# Altium PCB fMAX_MB.PcbDoc (part 4 of 13)
Units mil, origin at the board's own origin, x right, y up, seen from the top; angles counter-clockwise.
Board outline 9175 x 6300 mil, 14 copper layers (TopLayer, Gnd1, MidLayer1, Power1, MidLayer4, Power2, MidLayer2, Power3, MidLayer3, Gnd3, MidLayer6, Gnd2, MidLayer5, BottomLayer); 679 components, 896 nets, 4133 pads, 2341 vias.
Unrouted connection lines stored in the file: 4.
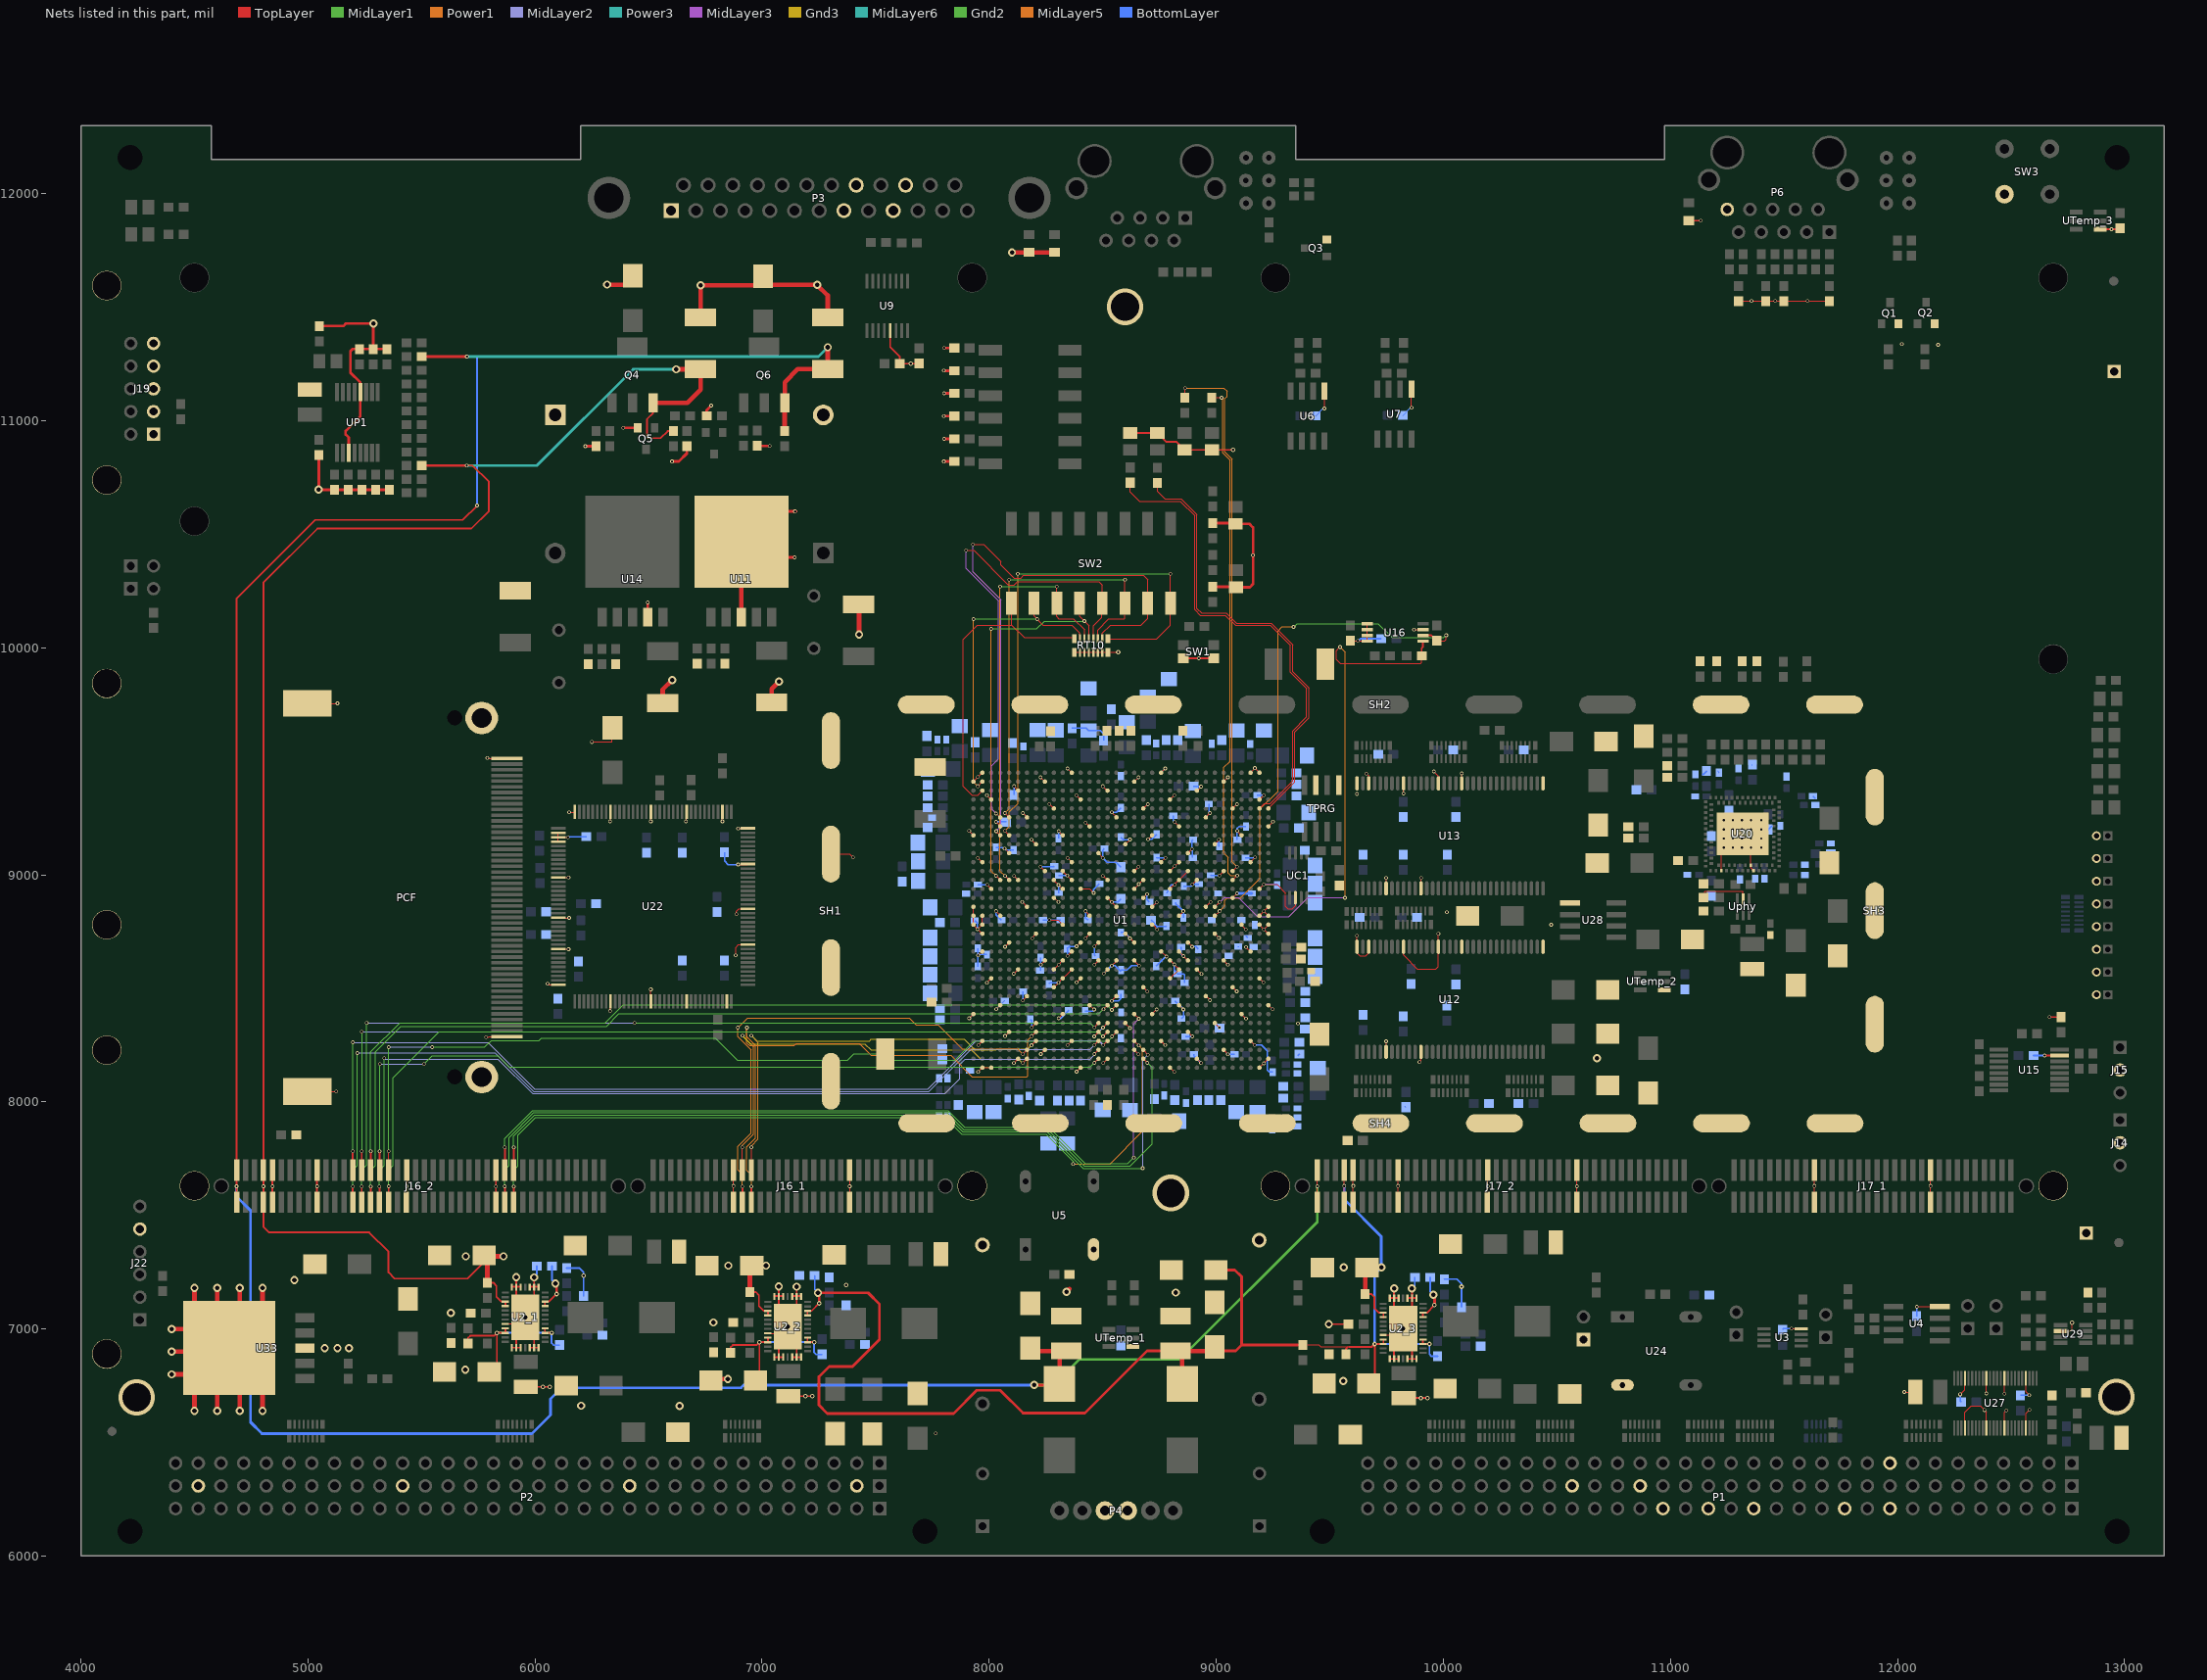
[diagram p16: the nets of this part, all layers, seen from the top]

## Via types
v1: diameter 16, hole 10, TopLayer to BottomLayer, tented both sides, 2192 vias
v2: diameter 36, hole 20, TopLayer to BottomLayer, tented both sides, 84 vias
v3: diameter 20, hole 10, TopLayer to BottomLayer, tented both sides, 61 vias
v4: diameter 160, hole 125, TopLayer to BottomLayer, tented both sides, 4 vias

## Nets (pads, with @x,y where several pads share a name; then routed paths per layer and width w, separated by ;. In a path a pad name is that pad's centre, name@x,y a point inside that pad or via, vN(x,y) a via of type N, cw(c..) or ccw(c..) an arc to the next point about the centre after c; other vN are vias at no path point) (continued)
GND: C1.2 C2.1 C3.1 C4.1 C5.2 C6.2 C7.1 C8_1.2 C8_2.2 C8_3.2 C9_1.2 C9_2.2 C9_3.2 C10_1.2 C10_2.2 C10_3.2 C11_1.2 C11_2.2 C11_3.2 C12_1.2 C12_2.2 C12_3.2 C13.1 C14.1 C15_1.2 C15_2.2 C15_3.2 C16_1.1 C16_2.1 C16_3.1 C17.2 C18_1.1 C18_2.1 C18_3.1 C19_1.1 C19_2.1 C19_3.1 C20.2 C21_1.1 C21_2.1 C21_3.1 C22_1.1 C22_2.1 C22_3.1 C23.2 C26.2 C27.2 C28.2 C29.2 C30.1 C31.1 C32.1 C33.1 C34.1 C35.1 C36.1 C37.1 C38.1 C39.1 C41.1 C42.1 C45.2 C46.2 C47.2 C48.2 C49.2 C50.2 C51.2 C52.2 C53.2 C54.2 C55.2 C56.2 C57.2 C58.2 C59.2 C60.2 C61.2 C62.2 C63.2 C64.2 C65.2 C66.2 C67.1 C68.1 C69.1 C70.1 C71.1 C72.1 C73.1 C74.1 C75.1 C76.1 C77.1 C78.1 C79.1 C80.1 C81.1 C82.1 C83.1 C84.1 C85.1 C86.1 C87.1 C88.1 C89.1 C90.1 C91.1 C92.1 C93.1 C94.1 C95.1 C96.1 C97.1 C98.1 C99.1 C100.1 C101.1 C102.1 C103.1 C104.1 C105.1 C106.1 C107.1 C108.1 C109.1 C110.1 C111.1 C112.2 C113.2 C114.2 C115.2 C116.2 C117.2 C118.2 C119.2 C120.2 C121.1 C122.1 C123.1 C124.1 C125.1 C126.1 C127.1 C128.1 C129.1 C130.1 C131.1 C132.1 C133.1 C134.1 C135.1 C136.1 C137.1 C138.1 C139.1 C140.1 C141.1 C142.1 C143.1 C144.1 C145.1 C146.1 C147.1 C148.2 C149.1 C150.1 C151.1 C152.1 C153.1 C154.1 C155.1 C156.1 C157.1 C158.2 C159.2 C160.2 C161.2 C162.2 C163.2 C164.2 C165.2 C166.2 C167.2 C168.2 C169.1 C170.1 C171.2 C172.1 C173.1 C174.1 C175.2 C176.1 C177.1 C178.2 C179.2 C180.2 C181.2 C182.2 C183.2 C184.2 C185.1 C186.1 C187.1 C188.1 C189.1 C190.1 C191.1 C192.1 C193.1 C194.1 C195.1 C196.1 C197.1 C198.1 C199.1 C200.1 C201.1 C202.1 C203.1 C204.1 C205.1 C206.1 C207.1 C208.1 C209.1 C210.1 C211.1 C212.1 C213.1 C214.1 C215.1 C216.1 C217.1 C218.1 C219.1 C220.1 C221.1 C222.1 C223.1 C224.1 C225.1 C226.1 C227.1 C228.1 C229.1 C230.1 C231.1 C232.1 C233.1 C234.1 C235.2 C236.1 C237.1 C238.1 C239.1 C240.1 C241.1 C242.1 C243.2 C244.1 C245.1 C246.2 C247.1 C248.1 C249.1 C250.1 C251.1 C252.1 C253.2 C254.1 C255.1 C256.1 C257.1 C258.2 C259.1 C260.1 C261.1 C262.1 C265.1 C266.1 C267.1 C268.1 C269.1 C270.2 C271.2 C272.2 C273.2 C274.1 C275.1 C276.1 C277.1 C278.1 C279.1 C280.1 C281.1 C282.1 C283.1 C284.2 C285.1 C286.1 C287.1 C289.2 C290.2 C325.2 C326.2 C327.2 C328.2 C329.1 C330.1 C331.1 C332.1 C333.2 C334.2 C335.1 C336.1 C337.1 C338.1 C345.2 C400.2 C401.2 C601.1 CP1.1 CP2.1 CRT1_1.1 CRT1_2.1 CRT1_3.1 CRT1_4.1 CRT1_5.1 CRT1_6.1 CRT1_7.1 CRT1_8.1 CT1.2 CT2.2 CT3.2 CT4.2 CTemp_1.2 CTemp_2.2 CTemp_3.2 D2.2 D3.2 D5.2 D7.2 D10.1 D11.2 D17.1 D18.2 DS12.2 DS13.2 J1.1 J6.2 J7.2 J8.2 J9.2 J10.2 J11.2 J12.2 J13.2 J14.2 J15.2 J16_1.19 J16_1.20 J16_1.45 J16_1.46 J16_2.25 J16_2.26 J16_2.45 J16_2.46 J16_2.65 J16_2.66 J16_2.75 J16_2.76 J17_1.19 J17_1.20 J17_1.45 J17_1.46 J17_2.25 J17_2.26 J17_2.45 J17_2.46 J17_2.65 J17_2.66 J17_2.75 J17_2.76 J19.1 J19.3 J19.5 J19.7 J19.9 J22.5 L1.1 L2.2 L4.1 P1.97 P1.98 P1.A9 P1.A11 P1.A15 P1.A17 P1.A19 P1.B20 P1.B23 P1.C9 P2.97 P2.98 P2.B2 P2.B12 P2.B22 P2.B31 P3.1 P3.8 P3.10 P3.21 P3.23 P4.3 P4.4 P6.10 pad.0@4114.17,10738.19 pad.0@4114.17,11594.49 pad.1@4114.17,9842.52 pad.2@4114.17,8779.53 pad.3 pad.4@4114.17,6889.76 pad.4@4500,7630 pad.5 pad.6 pad.7 PCF.1 PCF.50 PCF.51 PCF.52 PCF.53 PCF.54 Pgrd1.1 Pgrd2.1 Q1.2 Q2.2 Q3.2 Q5.2 R13.1 R14.1 R20.1 R28.2 R29.1 R31.2 R33.1 R41.2 R42.2 R43.2 R43_1.1 R43_2.1 R43_3.1 R47.2 R58.1 R65.1 R67.1 R68.1 R73.1 R83.1 R88.2 R89.1 R90.1 R96.1 R97.1 R98.1 R100.1 R102.1 R106.1 R108.1 R111.1 R112.1 R118.1 R123.2 R126.1 R132.1 R159.1 R162.1 R164.1 R166.1 R199.1 R453.2 R454.1 R456.1 R_OSC1_1.1 R_OSC1_2.1 R_OSC1_3.1 RP4.1 RP6.1 RP11.1 RP13.1 RP15.1 RP16.1 RP20.1 RP22.1 RP25.2 RT10.1 RT10.2 RT10.3 RT10.4 RT10.5 RT10.6 RT10.7 RT10.8 Rv2_1.1 Rv2_2.1 SH1.AY SH2.AX@7723,9749 SH2.AX@8223,9749 SH2.AX@8723,9749 SH2.AX@11223,9749 SH2.AX@11723,9749 SH3.AY SH4.AX SW1.1 SW3.1 TPRG.5 TPRG.7 U1.A7 U1.A16 U1.A17 U1.A18 U1.A19 U1.A27 U1.A33 U1.AA7 U1.AA17 U1.AA19 U1.AA27 U1.AB4 U1.AB14 U1.AB20 U1.AB24 U1.AB34 U1.AC1 U1.AC11 U1.AC13 U1.AC21 U1.AC23 U1.AC31 U1.AD8 U1.AD12 U1.AD14 U1.AD18 U1.AD22 U1.AD24 U1.AD28 U1.AE5 U1.AE13 U1.AE15 U1.AE23 U1.AE25 U1.AF2 U1.AF12 U1.AF22 U1.AF32 U1.AG9 U1.AG19 U1.AG29 U1.AH6 U1.AH16 U1.AH26 U1.AJ3 U1.AJ13 U1.AJ23 U1.AJ33 U1.AK10 U1.AK20 U1.AK30 U1.AL7 U1.AL17 U1.AL27 U1.AM4 U1.AM14 U1.AM24 U1.AM34 U1.AN1 U1.AN11 U1.AN17 U1.AN18 U1.AN19 U1.AN21 U1.AN31 U1.AN34 U1.AP2 U1.AP8 U1.AP16 U1.AP17 U1.AP18 U1.AP28 U1.B1 U1.B4 U1.B14 U1.B17 U1.B18 U1.B24 U1.B34 U1.C1 U1.C11 U1.C21 U1.C31 U1.D8 U1.D18 U1.D28 U1.E5 U1.E15 U1.E25 U1.F2 U1.F12 U1.F22 U1.F32 U1.G9 U1.G19 U1.G29 U1.H6 U1.H16 U1.H26 U1.J3 U1.J13 U1.J23 U1.J33 U1.K10 U1.K12 U1.K20 U1.K22 U1.K30 U1.L7 U1.L11 U1.L13 U1.L17 U1.L21 U1.L23 U1.L27 U1.M4 U1.M12 U1.M14 U1.M22 U1.M24 U1.M34 U1.N1 U1.N11 U1.N21 U1.N31 U1.P8 U1.P16 U1.P18 U1.P28 U1.R5 U1.R13 U1.R15 U1.R25 U1.T2 U1.T12 U1.T14 U1.T20 U1.T22 U1.T32 U1.U9 U1.U19 U1.U29 U1.V6 U1.V16 U1.V22 U1.V26 U1.W3 U1.W13 U1.W15 U1.W23 U1.W33 U1.Y10 U1.Y20 U1.Y22 U1.Y30 U2_1.8 U2_1.13 U2_1.14 U2_1.15 U2_1.17 U2_1.18 U2_1.19 U2_1.32 U2_1.33 U2_1.34 U2_1.36 U2_1.37 U2_1.38 U2_1.39 U2_2.8 U2_2.13 U2_2.14 U2_2.15 U2_2.17 U2_2.18 U2_2.19 U2_2.32 U2_2.33 U2_2.34 U2_2.36 U2_2.37 U2_2.38 U2_2.39 U2_3.8 U2_3.13 U2_3.14 U2_3.15 U2_3.17 U2_3.18 U2_3.19 U2_3.32 U2_3.33 U2_3.34 U2_3.36 U2_3.37 U2_3.38 U2_3.39 U3.4 U4.4 U5.2 U6.5 U7.5 U9.13 U11.3 U11.6 U12.6 U12.12 U12.34 U12.48 U12.52 U12.58 U12.64 U12.66 U13.6 U13.12 U13.34 U13.48 U13.52 U13.58 U13.64 U13.66 U14.4 U15.15 U16.1 U16.2 U16.3 U16.4 U16.7 U20.53 U20.64 U20.65 U20.97 U22.9 U22.18 U22.26 U22.35 U22.46 U22.54 U22.64 U22.72 U22.75 U22.83 U22.91 U22.100 U22.108 U22.110 U22.111 U22.112 U22.120 U22.129 U22.136 U22.144 U24.2 U27.4 U27.10 U27.15 U27.21 U27.28 U27.34 U27.39 U27.45 U28.1 U29.2 U33.3 U33.6 UC1.2 UP1.3 UP1.12 Uphy.2 UTemp_1.1 UTemp_2.1 UTemp_3.1 | length 24598.7
  TopLayer w4: R454.1@11146.54,8900 11150.67,8904.13 11150.67,8925 11152.83,8927.17 11316.93,8927.17 11320,8924.1 Uphy.2@11320,8892.48 ; U20.53@11223.78,9018.74 11223.78,9108.78 v1(11235,9120) ; U20.64@11353.7,9042.41 11353.7,9030.55 U20.65@11365.51,9018.74
  TopLayer w5: PCF.54@4997.48,8045.28 v1@5124.72,8045.28 ; PCF.53@4997.48,9754.72 v1@5129.72,9754.72 ; v1(5785,8285) 5795,8285 5797.5,8287.5 PCF.50@5875.43,8287.5 ; v1(5790,9515) 5792.5,9512.5 PCF.1@5875.43,9512.5 ; U2_1.8@5870,7022.2 U2_1.39@5907.2,7022.2 ; v1(6055,8520) 6059.49,8515.51 U22.144@6102.68,8515.51 ; U22.129@6102.68,8810.79 6103.47,8810 v1(6150,8810) ; U22.112@6102.68,9145.43 U22.111@6102.68,9165.12 ; U22.110@6102.68,9184.8 U22.111@6102.68,9165.12 ; U22.120@6102.91,8988.19 v1(6147.64,8988.19) ; U22.136@6103.43,8672.24 v1(6147.64,8672.24) ; v1@6144.88,9165.12 U22.111@6102.68,9165.12 ; v1(6150,9275) 6173.19,9275 U22.108@6175.51,9277.32 ; v1@6247,9585 v1(6250,9585) 6340,9585 6340,9647.43 C284.2@6340,9650 ; v1(6330,8400) 6330,8410 6332.99,8412.99 U22.9@6332.99,8442.68 ; v1(6330,9235) 6332.99,9237.99 U22.100@6332.99,9277.32 ; U22.18@6510,8440 6510,8442.68 v1(6510,8495) ; v1@6510.16,9235.16 U22.91@6510.16,9277.32 ; v1(6665,9235) 6665,9240 6667.64,9242.64 U22.83@6667.64,9277.32 ; v1(6825,9235) U22.75@6825,9277.2 ; J16_1.45@6873.86,7558.27 v1(6873.86,7630) J16_1.46@6873.86,7700 ; v1(6883.86,8645.67) 6883.86,8680.12 6896.42,8692.68 U22.46@6937.32,8692.68 ; v1(6886.81,8826.77) 6886.81,8839.57 6897.4,8850.16 U22.54@6937.24,8850.16 ; v1(6894,9045) 6935.31,9045 U22.64@6937.32,9047.01 ; v1(6894.69,9203.74) U22.72@6936.57,9203.74 ; U2_2.8@7026.17,6981.13 U2_2.39@7063.38,6981.13 ; SH1.AY@7303,9091 7385.38,9091 7399.61,9076.77 v1(7400.59,9076.77) ; J16_1.20@7385.34,7698.67 7385.51,7628 J16_1.19@7385.67,7558.27 ; v1(7912,8368) 7930.39,8386.39 U1.AP28@7930.39,8386.61 ; v1(7912,9193) 7930.39,9174.61 U1.AP8@7930.39,9174.02 ; U1.AP2@7930.39,9410.24 7930,9410.63 7930.39,9410.63 7930.79,9410.63 7950.08,9429.92 U1.AN1@7969.76,9449.61 ; U1.AP16@7930.94,8859.06 U1.AP16@7930.39,8859.06 U1.AP17@7930.39,8819.68 U1.AP18@7930.39,8780.31 7930.39,8779.61 7948.5,8761.5 v1@7948.54,8761.46 ; v1(7948,8761) v1@7948.54,8761.46 ; v1(7950,9075) 7969.09,9055.91 U1.AN11@7969.76,9055.91 ; v1(7951,8132) 7969.39,8150.39 U1.AN34@7969.76,8150.39 U1.AM34@8009.13,8150.39 ; v1(7951,8645) 7969.76,8661.76 U1.AN21@7969.76,8662.2 ; v1(7952,8250) 7969.76,8267.76 U1.AN31@7969.76,8268.5 ; U1.AN18@7969.61,8780.47 7969.61,8819.68 U1.AN17@7969.76,8819.68 ; U1.AN19@7969.76,8740.94 7969.06,8740.94 v1@7948.54,8761.46 ; U1.AN18@7969.76,8780.31 7969.76,8779.76 v1@7948.54,8761.46 ; v1(7990,8525) U1.AM24@8009.13,8544.09 ; v1(7990,9350) 8008.5,9331.5 U1.AM4@8009.13,9331.5 ; v1(7991,8956) 8009.13,8937.87 U1.AM14@8009.13,8937.8 ; v1(8030,8840) 8048.5,8821.5 U1.AL17@8048.5,8819.68 ; v1(8030,9233) 8048.5,9214.5 U1.AL7@8048.5,9213.39 ; v1(8031,8408) 8048.5,8425.5 U1.AL27@8048.5,8425.98 ; v1(8068,9115) 8087.72,9095.28 U1.AK10@8087.87,9095.28 ; v1(8070,8290) U1.AK30@8087.87,8307.87 ; v1(8070,8683) 8087.87,8700.87 U1.AK20@8087.87,8701.57 ; v1(8108,8564) 8127.24,8583.24 U1.AJ23@8127.24,8583.46 ; v1(8109,8171) 8127.24,8189.24 U1.AJ33@8127.24,8189.76 ; v1(8110,8995) 8127.24,8977.76 U1.AJ13@8127.24,8977.17 ; v1(8110,9390) 8127.24,9372.76 U1.AJ3@8127.24,9370.87 ; v1(8145,8880) 8145.67,8880 U1.AH16@8166.61,8859.06 ; v1(8148,9272) 8166.61,9253.39 U1.AH6@8166.61,9252.76 ; v1(8149,8447) 8166.61,8464.61 U1.AH26@8166.61,8465.35 ; v1(8186,9154) 8205.35,9134.65 U1.AG9@8205.98,9134.65 ; v1(8187,8328) 8205.98,8346.98 U1.AG29@8205.98,8347.24 ; v1(8188.98,8720.47) 8204.72,8740.16 U1.AG19@8205.98,8740.94 ; v1(8226,9036) 8245.35,9016.65 U1.AF12@8245.35,9016.54 ; v1(8226,9429) 8244.76,9410.24 U1.AF2@8245.35,9410.24 ; v1(8227,8211) 8245.13,8229.13 U1.AF32@8245.35,8229.13 ; v1(8227,8604) 8245.35,8622.35 U1.AF22@8245.35,8622.83 ; v1(8265,8800) 8304.41,8800 U1.AD18@8324.09,8780.31 ; v1(8265,9312) 8284.72,9292.28 U1.AE5@8284.72,9292.13 ; U1.AE15@8281.57,8898.43 U1.AE15@8284.72,8898.43 8286.57,8898.43 v1(8305,8880) ; U1.AE25@8284.72,8504.72 v1(8305,8525) U1.AD24@8324.09,8544.09 8344.49,8563.99 8363.95,8582.97 U1.AC23@8365,8584 ; U1.AE23@8284.72,8583.46 v1(8305.5,8604.24) U1.AD22@8324.09,8622.83 U1.AD22@8324.09,8622.09 ; U1.AE13@8284.72,8977.17 8284.72,8975.28 v1(8305,8955) 8322.2,8937.8 U1.AD14@8324.09,8937.8 ; v1(8306,8368) 8324.09,8386.09 U1.AD28@8324.09,8386.61 ; v1(8306,9192) 8323.98,9174.02 U1.AD8@8324.09,9174.02 ; U1.AD12@8324.09,9016.54 v1(8343.72,8996.91) U1.AC13@8363.46,8977.17 ; v1(8345,8250) U1.AC31@8363.46,8268.5 ; v1(8345,8643) 8363.46,8661.46 U1.AC21@8363.46,8662.2 ; v1(8345,9075) 8363.46,9056.54 U1.AC11@8363.46,9055.91 ; v1(8345,9468) 8363.39,9449.61 U1.AC1@8363.46,9449.61 ; RT10.1@8375.08,9980 RT10.2@8399.68,9980 RT10.3@8419.37,9980 RT10.4@8439.06,9980 RT10.5@8458.74,9980 RT10.6@8478.43,9980 RT10.7@8498.11,9980 RT10.8@8522.72,9980 v3(8568,9980) ; v1(8384,9350) 8402.5,9331.5 U1.AB4@8402.83,9331.5 ; v1(8385,8133) 8402.39,8150.39 U1.AB34@8402.83,8150.39 ; v1(8385,8526) 8402.83,8543.83 U1.AB24@8402.83,8544.09 ; v1(8385,8685) 8401.57,8701.57 U1.AB20@8402.83,8701.57 ; U1.AB14@8402.83,8937.8 8442.2,8937.8 v1(8460,8920) ; v1(8425,8840) 8442.2,8822.8 U1.AA17@8442.2,8819.68 ; v1(8425,9230) 8441.61,9213.39 U1.AA7@8442.2,9213.39 ; v1(8425.2,8720.47) 8440.94,8740.94 U1.AA19@8442.2,8740.94 ; U1.AA27@8441.98,8425.98 U1.AA27@8442.2,8425.98 ; U1.AA27@8442.1,8425.87 v1(8462,8407) ; v1@8462,8288 v1(8462.63,8288.63) 8481.57,8307.57 U1.Y30@8481.57,8307.87 ; v1(8463,8604) 8481.57,8622.57 U1.Y22@8481.57,8622.83 ; v1(8464,8684) U1.Y20@8481.57,8701.57 ; U1.Y10@8481.57,9095.28 v1(8500,9075) ; v1(8500,8995) 8503.11,8995 U1.W13@8520.94,8977.17 ; v1(8500,9390) 8519.13,9370.87 U1.W3@8520.94,9370.87 ; v1(8502,8171) 8520.76,8189.76 U1.W33@8520.94,8189.76 ; v1(8504,8565) 8520.94,8581.94 U1.W23@8520.94,8583.46 ; U1.W15@8520.94,8898.43 8521.57,8898.43 v1(8540,8880) 8560.32,8859.68 U1.V16@8560.32,8859.06 ; v1(8540,8445) U1.V26@8560.32,8465.32 ; v1(8540,8600) 8560.32,8620.32 U1.V22@8560.32,8622.83 ; v1(8540,9275) 8560.32,9254.68 U1.V6@8560.32,9252.76 ; U1.U29@8599.69,8347.24 8599.69,8345.31 v1(8620,8325) ; U1.U19@8599.69,8740.94 8599.69,8740.31 8620.16,8720.17 U1.T20@8639.06,8701.57 ; U1.U9@8599.69,9134.69 v1(8620,9155) ; U1.T32@8639.06,8229.13 8639.06,8228.94 v1(8658,8210) ; U1.T22@8639.06,8622.83 8639.06,8620.94 v1(8660,8600) ; U1.T14@8639.06,8937.8 8639.06,8939.06 v1(8658.74,8958.74) 8677.17,8977.17 U1.R13@8678.43,8977.17 ; U1.T12@8639.06,9016.54 8639.54,9016.54 v1(8658,9035) ; U1.T2@8639.06,9410.24 8639.24,9410.24 v1(8658,9429) ; U1.R25@8678.43,8504.72 8678.43,8504.57 v1(8697,8486) ; U1.R15@8678.43,8898.43 v1(8695,8915) ; U1.R5@8678.43,9292.13 8679.13,9292.13 v1(8698,9311) ; v1(8700,9156) 8717.8,9173.8 U1.P8@8717.8,9174.02 ; U1.P18@8717.8,8780.31 8719.69,8780.31 v1(8740,8760) ; U1.P16@8717.8,8859.06 8719.06,8859.06 v1(8737,8878) ; U1.P28@8718,8388 v1(8737,8407) ; U1.N31@8757.17,8268.5 8757.17,8267.83 v1(8775,8250) ; U1.N21@8757.17,8662.2 8757.8,8662.2 v1(8780,8640) ; U1.N11@8757.17,9055.91 8757.17,9056.17 v1(8776,9075) ; U1.N1@8757.17,9449.61 8757.17,9450.17 v1(8775,9468) ; U1.M34@8796.54,8150.39 8796.61,8150.39 v1(8815,8132) ; U1.M24@8796.54,8544.09 U1.L23@8835.91,8583.46 8835.91,8584.09 v1(8815,8605) 8797.17,8622.83 U1.M22@8796.54,8622.83 ; U1.M12@8796.54,9016.54 v1(8817.6,9037.6) U1.L11@8835.91,9055.91 ; U1.M4@8796.54,9331.5 v1(8815,9350) ; U1.M14@8797.8,8937.8 U1.M14@8796.54,8937.8 8815.87,8957.13 U1.L13@8835.91,8977.17 U1.K12@8875.28,9016.54 ; v1(8817,9232) 8836.14,9213.63 8836.39,9213.39 U1.L7@8835.91,9213.39 ; U1.L27@8835.91,8425.98 8836.02,8425.98 v1(8855,8407) ; U1.L21@8835.91,8662.2 v1(8856.24,8641.87) U1.K22@8875.28,8622.83 ; U1.L17@8835.91,8819.68 8835.91,8820.91 v1(8855,8840) ; U1.K30@8875.28,8307.87 8875.28,8307.72 v1(8895,8288) ; U1.K20@8875.28,8701.57 8875.43,8701.57 v1(8894,8683) ; U1.K10@8875.28,9095.28 v1(8893,9113) ; v1(8895,8958) 8914.41,8977.41 8914.65,8977.65 U1.J13@8914.65,8977.17 ; U1.J33@8914.65,8189.76 8914.65,8189.35 v1(8933,8171) ; U1.J23@8914.65,8583.46 8914.65,8583.35 v1(8935,8563) ; U1.J3@8914.65,9370.87 8915.87,9370.87 v1(8933,9388) ; U1.H26@8954.02,8465.35 8954.65,8465.35 v1(8972,8448) ; U1.H6@8954.02,9252.76 8954.02,9254.02 v1(8972,9272) ; U1.H16@8954.06,8859.06 v1(8975,8880) ; U1.G29@8993.39,8347.24 8993.39,8346.61 v1(9013,8327) ; U1.G19@8993.39,8740.94 8993.39,8740.61 v1(9012,8722) ; U1.G9@8993.39,9134.65 8993.65,9134.65 9012.5,9153.5 v1@9013,9154 ; v1(9013,8997) 9032.65,9016.65 9032.76,9016.76 U1.F12@9032.76,9016.54 ; U1.F32@9032.76,8229.13 9032.76,8228.24 v1(9051,8210) ; U1.F22@9032.76,8622.83 9032.76,8622.24 v1(9051,8604) ; U1.F2@9032.76,9410.24 9032.76,9410.76 v1(9051,9429) ; U1.E25@9072.13,8504.72 9072.28,8504.72 v1(9090,8487) ; U1.E15@9072.13,8898.43 9072.13,8898.87 v1(9091,8918) ; U1.E5@9072.13,9292.13 v1(9091,9311) ; v1(9092,9193) 9110.98,9174.02 U1.D8@9111.5,9174.02 ; U1.D28@9111.5,8386.61 9111.5,8386.5 v1(9131,8367) ; U1.D18@9111.5,8780.31 9111.5,8778.5 v1(9130,8760) ; v1(9131,8682) 9150.8,8662.2 U1.C21@9150.87,8662.2 ; U1.C31@9150.87,8268.5 9150.87,8268.13 v1(9169,8250) ; U1.C1@9150.87,9449.61 9150.87,9450.87 9169.92,9469.92 9170,9470 v1(9170,9469.84) U1.B1@9190.24,9449.61 ; U1.C11@9150.87,9055.91 v1(9171,9076) ; U1.B34@9190.24,8150.39 9190.39,8150.39 v1(9210,8170) 9229.61,8189.61 U1.A33@9229.61,8189.76 ; U1.B24@9190.24,8544.09 9190.24,8543.76 v1(9208,8526) ; U1.B18@9190.24,8780.31 9190.24,8779.76 v1(9210,8760) ; U1.B17@9190.24,8819.68 9190.24,8820.24 9209.65,8839.65 9210,8840 v1(9210,8839.29) ; U1.B14@9190.24,8937.8 9190.24,8938.24 v1(9210,8958) 9267,8958 9305,8920 9305,8860 9315,8850 9335,8850 9349.2,8864.2 9349.2,8899 UC1.2@9349.2,8921.31 ; U1.B4@9190.24,9331.5 9191.5,9331.5 v1(9210,9350) ; U1.A27@9229.61,8425.98 9230.02,8425.98 v1(9248,8408) ; U1.A19@9229.61,8740.94 9229.06,8740.94 v1(9210,8760) ; U1.A18@9229.61,8780.31 9229.61,8779.61 v1(9210,8760) ; U1.A17@9229.61,8819.68 v1(9210,8839.29) ; U1.A16@9229.61,8859.06 9229.61,8858.9 v1(9210,8839.29) ; U1.A7@9229.61,9213.39 v1(9250,9233.78) ; v1(9476,11053) 9476.47,11053.47 U6.5@9476.47,11130.08 ; R20.1@9591,10030.54 v1(9624.46,10030.54) ; J17_2.75@9603.31,7558.27 v1(9603.31,7630) J17_2.76@9603.31,7700 ; v1(9620,8731) U12.66@9620,8682.99 9620,8655 9632,8643 9658,8643 9671.18,8656.18 U12.64@9671.18,8682.99 ; v1@9626.09,10028.91 U16.4@9664.32,10028.91 U16.3@9664.32,10054.5 U16.2@9664.32,10080.09 U16.1@9664.32,10105.68 ; v1(9661,9446) 9671.18,9435.82 U13.64@9671.18,9402.99 ; U2_3.8@9735.83,6973.13 U2_3.39@9773.03,6973.13 ; U12.6@9747.95,8220 v1(9748,8267) ; U13.6@9747.95,8940 v1(9748,8986) v1@9748,8987 ; J17_2.65@9800.16,7558.43 v1(9800.16,7630) J17_2.66@9800.16,7700 ; v1(9824,9358) U13.58@9824.72,9402.99 ; U12.58@9824.72,8682.99 9824.72,8646.73 9885.83,8585.63 9967.52,8585.63 9978.27,8596.38 U12.52@9978.27,8682.99 v1(9978.27,8739.73) ; v1@9859.38,11056.62 U7.5@9859.38,11138.39 ; v1(9871,10079) 9909.29,10079 U16.7@9910.38,10080.09 ; v1@9894,8176 9901.5,8183.5 U12.12@9901.5,8220 ; U13.12@9901.5,8940 v1(9902,8986) ; v1(9958,9455) 9978.27,9434.73 U13.52@9978.27,9402.99 ; U13.48@10080.63,9402.99 v1(10080.63,9446.63) ; J17_2.45@10195,7559.41 v1(10195,7628) J17_2.46@10195,7700 ; J17_2.25@10587.56,7558.27 v1(10587.56,7628) J17_2.26@10587.56,7700 ; C262.1@11300,11526.54 v1(11357,11526.54) C260.1@11420,11526.54 v1(11461,11526.54) C261.1@11500,11526.54 v1(11604,11526.54) C259.1@11700,11526.54 ; Uphy.2@11320,8869.96 Uphy.2@11320,8892.48 ; U20.64@11353.7,9042.41 U20.97@11353.7,9090.7 ; v1@11530.27,7001.27 v1(11533,7001.27) U3.4@11575.63,7001.27 ; J17_1.45@11633.86,7558.27 v1(11633.86,7630) J17_1.46@11633.86,7700 ; v1(12029.73,6722.27) CT1.2@12078.88,6722.27 ; v1(12085.12,7097.88) U4.4@12186.3,7097.88 ; J17_1.19@12145.67,7558.27 v1(12145.67,7630) J17_1.20@12145.67,7700 ; v1(12276,6712) 12297.14,6733.14 U27.21@12297.14,6781.52 ; U27.28@12297.14,6563.75 12297.14,6633.76 12323.82,6660.43 12364.57,6660.43 v1(12382,6643) 12391.63,6633.37 U27.34@12391.63,6563.75 U27.34@12391.63,6563.02 ; v1(12391.63,6715.63) U27.15@12391.63,6781.52 ; U27.39@12470.37,6563.02 U27.39@12470.37,6563.75 12470.37,6632.37 v1(12479,6641) ; v1(12470.37,6715.37) U27.10@12470.37,6781.52 ; U27.45@12564.86,6563.02 U27.45@12564.86,6563.75 12564.86,6627.86 v1(12581,6644) ; U27.4@12564.86,6781.52 12564.86,6723.14 v1(12580,6708) ; U29.2@12718.32,6990.47 12759.47,6990.47 12768,6999 v3(12768,7027)
  TopLayer w8: J16_2.75@4843.31,7558.27 4843.31,7628 J16_2.76@4843.31,7700 ; J16_2.65@5040,7558.27 v1(5040,7628) J16_2.66@5040,7699.84 ; J16_2.45@5435,7559.41 v1(5435,7628) J16_2.46@5435,7700 ; C8_1.2@5623.23,6820 C8_1.2@5631,6827.77 ; J16_2.25@5827.56,7558.27 v1(5827.56,7627) J16_2.26@5827.56,7700 ; U2_1.13@5897.57,6917.28 U2_1.14@5917.24,6917.28 ; U2_1.38@5897.57,7186.18 U2_1.37@5917.24,7186.18 ; U2_1.39@5917.24,6957.24 5917.24,6918.11 U2_1.14@5917.24,6917.28 ; U2_1.39@5917.24,7147.76 5917.24,7183.86 U2_1.37@5917.24,7186.18 ; v2(5917.24,7227.76) U2_1.37@5917.24,7186.18 ; U2_1.37@5918.43,7186.18 U2_1.36@5936.93,7186.18 ; U2_1.15@5936.93,6917.28 U2_1.14@5917.26,6917.28 ; C18_1.1@5960,6744.88 v3(6035,6744.88) v3(6065,6744.88) ; U2_1.17@5976.31,6917.28 U2_1.18@5995.98,6917.28 ; U2_1.34@5976.31,7186.18 U2_1.33@5995.99,7186.18 ; U2_1.39@5995.98,6959.02 U2_1.18@5996,6918.11 U2_1.18@5995.98,6917.28 ; U2_1.39@5995.98,7149.02 U2_1.33@5996,7183.86 U2_1.33@5995.99,7186.18 ; v2(5996,7227) U2_1.33@5995.99,7186.18 ; U2_1.19@6015.67,6917.28 U2_1.18@5996,6917.28 ; U2_1.32@6015.67,7186.18 U2_1.33@5996,7186.18 ; C8_2.2@6779.4,6778.93 C8_2.2@6787.17,6786.7 ; U2_2.13@7053.73,6876.21 7073.26,6876.21 U2_2.14@7073.42,6876.21 ; U2_2.38@7053.73,7145.11 7073.26,7145.11 U2_2.37@7073.42,7145.11 ; U2_2.39@7073.42,6916.17 7073.42,6877.11 U2_2.14@7073.42,6876.21 ; U2_2.39@7073.42,7106.69 7073.42,7142.86 U2_2.37@7073.42,7145.11 ; v2(7073.42,7186.69) U2_2.37@7073.42,7145.11 ; U2_2.37@7074.6,7145.11 7092.94,7145.11 U2_2.36@7093.1,7145.11 ; U2_2.15@7093.1,6876.21 7092.94,6876.21 U2_2.14@7073.42,6876.21 ; C18_2.1@7116.17,6703.81 v3(7191.17,6703.81) v3(7221.17,6703.81) ; U2_2.17@7132.47,6876.21 7152,6876.21 U2_2.18@7152.16,6876.21 ; U2_2.34@7132.47,7145.11 7152,7145.11 U2_2.33@7152.16,7145.11 ; U2_2.39@7152.16,6917.94 7152.16,6877.11 U2_2.18@7152.16,6876.21 ; U2_2.39@7152.16,7107.94 7152.16,7142.86 U2_2.33@7152.16,7145.11 ; v2(7152.17,7185.93) U2_2.33@7152.16,7145.11 ; U2_2.19@7171.84,6876.21 7171.69,6876.21 U2_2.18@7152.16,6876.21 ; U2_2.32@7171.84,7145.11 7171.69,7145.11 U2_2.33@7152.16,7145.11 ; U9.13@7564.26,11395.59 7564.26,11323.74 7605.46,11282.54 C7.1@7605.46,11251 v3(7655,11251) R13.1@7691.09,11251 ; D2.2@8620.79,10945.72 D3.2@8740.79,10945.72 8780.5,10906 8825.7,10906 D5.2@8860.79,10870.91 D7.2@8980.79,10870.91 v3(9073.91,10870.91) ; SW1.1@8854.14,9953 v1(8923,9953) SW1.1@8988,9953 ; C8_3.2@9489.06,6770.93 C8_3.2@9496.83,6778.7 ; v2(9495.83,7020.93) R_OSC1_3.1@9582.36,7020.93 ; U2_3.13@9763.39,6868.21 9763.57,6868.21 U2_3.14@9783.07,6868.21 ; U2_3.38@9763.39,7137.11 9763.57,7137.11 U2_3.37@9783.07,7137.11 ; U2_3.39@9783.07,6908.17 9783.07,6869.11 U2_3.14@9783.07,6868.21 ; U2_3.39@9783.07,7098.69 9783.07,7134.86 U2_3.37@9783.07,7137.11 ; v2(9783.07,7178.69) U2_3.37@9783.07,7137.11 ; U2_3.37@9784.25,7137.11 U2_3.36@9802.76,7137.11 ; U2_3.15@9802.76,6868.21 9783.26,6868.21 U2_3.14@9783.07,6868.21 ; C18_3.1@9825.83,6695.81 v3(9900.83,6695.81) v3(9930.83,6695.81) ; U2_3.17@9842.13,6868.21 9842.32,6868.21 U2_3.18@9861.81,6868.21 ; U2_3.34@9842.13,7137.11 9842.32,7137.11 U2_3.33@9861.82,7137.11 ; U2_3.39@9861.81,6909.94 9861.81,6869.11 U2_3.18@9861.81,6868.21 ; U2_3.39@9861.81,7099.94 9861.82,7134.86 U2_3.33@9861.82,7137.11 ; v2(9861.83,7177.93) U2_3.33@9861.82,7137.11 ; U2_3.19@9881.5,6868.21 9862,6868.21 U2_3.18@9861.81,6868.21 ; U2_3.32@9881.5,7137.11 9862,7137.11 U2_3.33@9861.82,7137.11 ; L4.1@11080,11880.63 v1(11134,11880.63) v1@11135.63,11880.63 ; v1@12647.02,8203.98 v1(12648,8203.98) U15.15@12713.86,8203.98 ; v1(12669.54,8373.46) C41.1@12720,8373.46 ; UTemp_3.1@12893.15,11842.6 v1(12942,11842.6) CTemp_3.2@12976.06,11842.6